# KiCad board UCB_board.kicad_pcb (continued)
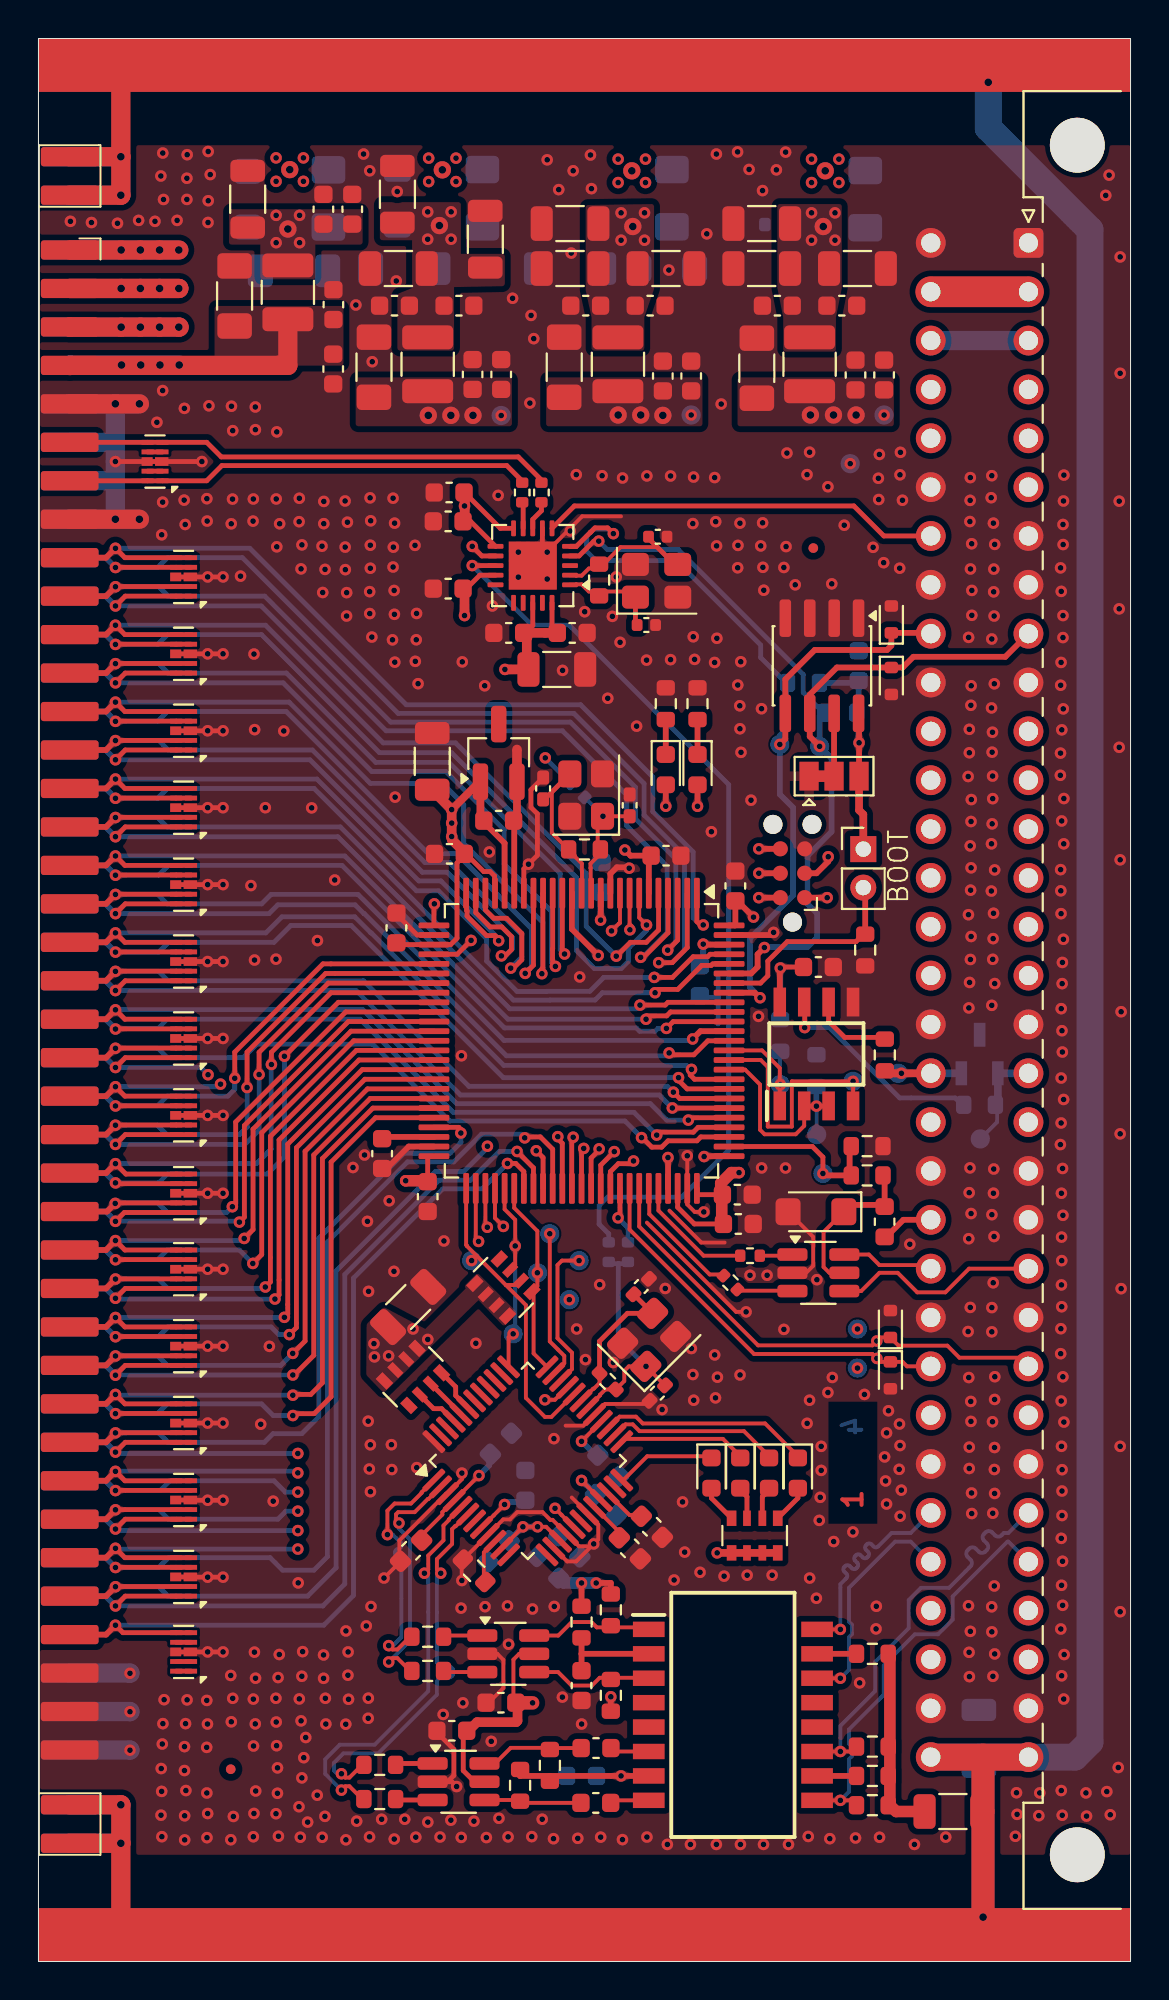
[diagram p0: board, top side]
## Routing (per net, layer and track width the routed paths; a pad name or vN(x,y) marks a point on that pad's centre or on a via; arc(x,y) is an arc through that point) (continued)
/Clock/CLK0: length 48.2
  Top w0.25: Y3.13 v1(22.56,72.59)
  Bottom w0.25: 29.66,37.49 29.66,37.84 29.16,38.34 29.16,39.31 29.6,39.75 33.45,39.75 35.9,42.2 35.9,61.2 27.6,69.5 25.65,69.5 v1(22.56,72.59)
/Clock/CLK1: length 16.3
  Top w0.25: v1(22.56,73.59) 23.06,73.09 Y3.12
  In2.Cu w0.25: v1(22.56,73.59) 23.36,73.59 24.06,72.89 24.06,71.79 26.36,69.49 v1(26.36,62.59)
  Bottom w0.25: v1(26.36,62.59) 27.63,61.32
/Clock/CLK2: length 1.3
  Top w0.25: Y3.9 25.21,75.74 25.16,75.79
/Clock/CLK3: length 1.5
  Top w0.25: 26.16,75.79 26.16,75.44 25.71,74.99 Y3.8
/Clock/CLK_IN: length 20.8
  Top w0.25: J1.c7 43.97,74.13 42.41,75.69 27.87,75.69 Y3.6
/Clock/X+: length 5.1
  Top w0.2: Y4.1 30.76,71.24 28.62,71.24 28.25,71.62 27.96,71.62 27.94,71.59 Y3.1
  Top w0.25: 31.05,69.5 Y4.1
/Clock/X-: length 8.8
  Top w0.2: Y4.3 33.08,72.65 32.18,73.55 30.27,73.55 29.16,72.44 28.62,72.44 28.25,72.07 27.96,72.07 27.94,72.09 Y3.2
  Top w0.25: Y4.3 33.08,72.65 31.64,74.09
/ConnectorDIN41612/D+: length 4.8
  Top w0.2: U3.6 43.19,36.76 43.74,36.22 46.22,36.22 J1.c22
/ConnectorDIN41612/D-: length 10.9
  Top w0.2: J1.a22 48.4,36.03 47.17,34.8 45.71,34.8 44.69,35.81 43.74,35.81 42.79,34.86 U3.4
/ConnectorDIN41612/DE: length 11.6
  Top w0.2: 39.83,44.48 39.83,43.46 39.38,43.02 37.77,43.02 37.53,43.25 37.53,45.6 36.75,46.38 U7.85
  Top w0.25: 39.83,44.48 v1(40.46,44.48) 41.1,44.48
  Bottom w0.2: TP2.1 40.48,44.47 v1(40.46,44.48)
  Bottom w0.3: 40.46,45.42 v1(40.46,44.48)
/ConnectorDIN41612/ETH_RD+: length 1.9
  Top w0.25: U5.1 18.73,10.3 18.66,10.23
/ConnectorDIN41612/ETH_RD-: length 1.9
  Top w0.25: U5.3 18.71,8.4 18.66,8.45
/ConnectorDIN41612/ETH_TD+: length 2
  Top w0.2: 23.08,15.05 21.22,15.05 21.16,15.11
/ConnectorDIN41612/ETH_TD-: length 2
  Top w0.2: 21.16,16.89 21.22,16.95 23.08,16.95
/ConnectorDIN41612/PSU/+3,3V_IN: length 33.5
  In2.Cu w1.6: v2(40.92,93.12) 43.05,93.12 43.61,93.68 50.93,93.68 54.53,90.07 54.53,80.57 53.18,79.21 J1.a5 J1.c5
  vias: v1(40.21,93.73) v1(40.21,92.51) v1(41.63,93.73) v1(41.63,92.51)
/ConnectorDIN41612/RD+: length 5.3
  Top w0.2: U5.6 23.75,10.3 24.56,11.11 26.6,11.11 26.61,11.1 28.14,11.1
/ConnectorDIN41612/RD-: length 5.3
  Top w0.2: U5.4 24.9,8.4 25.05,8.25 ; 25.05,8.25 28.12,8.25 ; 25.05,8.25 24.85,8.45
/ConnectorDIN41612/RS485+: length 4
  Top w0.4: 44.02,46.23 44.06,46.19 v1(44.88,46.19) J1.c18
  Bottom w0.4: D15.2 J1.c18
/ConnectorDIN41612/RS485-: length 5.4
  Bottom w0.2: TP19.1 49.86,43.65 49.86,44.55
  Bottom w0.4: 49.86,44.55 49.9,44.59 D15.1 J1.a18
/ConnectorDIN41612/RS485_N: length 11.2
  Top w0.25: 39.83,49.91 39.85,49.88 v1(39.85,48.56)
  Bottom w0.25: v1(39.85,48.56) 41.14,48.56 44.79,44.91 47.68,44.91 48.03,44.55
/ConnectorDIN41612/RS485_P: length 4.3
  Top w0.25: 44.02,48.05 41.94,48.05 41.1,48.89 41.1,49.91
/ConnectorDIN41612/RX+: length 21.5
  Top w0.2: 40.5,10.92 v1(41.71,10.92) 42.2,10.92 42.46,11.18
  Bottom w0.2: v1(41.71,10.92) 41.71,12.26 43.51,14.06 43.51,15.59 45.26,17.34 45.26,18.8 45.9,19.43 47.36,19.43 48.48,20.55 arc(48.55,20.72) 48.48,20.89 48.33,21.04 arc(48.26,21.21) 48.33,21.38 48.41,21.47 arc(48.58,21.54) 48.75,21.47 48.9,21.32 arc(49.07,21.25) 49.24,21.32 49.33,21.4 arc(49.4,21.57) 49.33,21.74 49.18,21.89 arc(49.11,22.06) 49.18,22.23 49.26,22.32 arc(49.43,22.39) 49.6,22.32 49.75,22.16 arc(49.92,22.09) 50.09,22.16 50.21,22.29 50.45,22.29 J1.a27
/ConnectorDIN41612/RX-: length 21.5
  Top w0.2: 40.5,8.38 v1(41.71,8.38) 42.2,8.38 42.46,8.13
  Bottom w0.2: v1(41.71,8.38) 42.16,8.83 42.16,10.52 42.31,10.67 42.31,11.17 42.16,11.32 42.16,12.07 43.96,13.88 43.96,15.4 45.58,17.02 46.79,17.02 47.55,17.78 47.55,18.99 50.4,21.83 50.45,21.83 J1.a28
/ConnectorDIN41612/RxD: length 6.7
  Top w0.2: U7.87 37.63,47.38 38.56,46.46 38.56,45.69 38.58,45.67 v1(38.58,45.6) 38.58,45.45 38.56,45.42 38.56,44.48
  Bottom w0.2: 38.58,47.25 38.56,47.22 38.56,45.69 38.58,45.67 v1(38.58,45.6)
/ConnectorDIN41612/TD+: length 6.4
  Top w0.2: U4.6 27.04,16.95 27.74,17.65 28.76,17.65 29.04,17.38 31.21,17.38 31.32,17.27 T1.1
/ConnectorDIN41612/TD-: length 6.4
  Top w0.2: U4.4 27.03,15.05 27.73,14.35 28.78,14.35 29.19,14.76 31.29,14.76 31.32,14.73 T1.3
/ConnectorDIN41612/TX+: length 11.9
  Top w0.2: 40.5,17.27 v1(41.71,17.27)
  Bottom w0.2: J1.c27 45.37,22.29 44.37,22.29 43.66,21.58 arc(43.55,21.53) 43.44,21.58 43.32,21.7 arc(43.21,21.75) 43.09,21.7 43.04,21.64 arc(42.99,21.53) 43.04,21.42 43.16,21.3 arc(43.2,21.18) 43.16,21.07 43.1,21.01 arc(42.99,20.97) 42.87,21.01 42.75,21.13 arc(42.64,21.18) 42.53,21.13 42.47,21.08 arc(42.42,20.96) 42.47,20.85 42.59,20.73 arc(42.64,20.62) 42.59,20.5 42.53,20.45 arc(42.42,20.4) 42.31,20.45 42.19,20.57 arc(42.07,20.61) 41.96,20.57 41.9,20.51 arc(41.86,20.4) 41.9,20.28 42.02,20.17 arc(42.07,20.05) 42.02,19.94 41.71,19.62 v1(41.71,17.27)
/ConnectorDIN41612/TX-: length 11.9
  Top w0.2: 40.5,14.73 v1(41.71,14.73)
  Bottom w0.2: J1.c28 45.37,21.83 44.56,21.83 42.16,19.44 42.16,17.67 42.31,17.52 42.31,17.02 42.16,16.87 42.16,15.18 v1(41.71,14.73)
/ConnectorDIN41612/TxD: length 13.3
  Top w0.2: U7.86 37.57,46.88 37.93,46.52 37.93,43.42 39.18,43.42 39.18,45.77 v1(42.37,45.77) 42.37,44.48
/ConnectorDIN41612/USART+: length 22
  Top w0.2: J1.c24 45.17,30.95 44.94,31.18 D3.1 43.79,31.18 v1(43.61,31.36) 43.38,31.59 37.22,31.59 30.75,38.06 U7.68
  In2.Cu w0.2: v1(43.61,31.36) 43.1,31.36 v1(42.6,30.86)
/ConnectorDIN41612/USART-: length 26.8
  Top w0.2: U7.69 31.25,38.22 37.43,32.04 43.38,32.04 v1(43.6,32.27) 43.79,32.45 D5.1 44.73,32.03 47.27,32.03 47.9,31.4 51.04,31.4 J1.a24
  In2.Cu w0.2: v1(42.6,32.89) 43.22,32.27 v1(43.6,32.27)
/ConnectorDIN41612/USB_D+: length 6.3
  Top w0.2: U7.71 32.25,39.05 34.59,36.7 36.41,36.7
/ConnectorDIN41612/USB_D-: length 6.4
  Top w0.2: U7.70 31.75,39.55 31.77,39.53 31.77,38.87 34.91,35.73 35.57,35.73
/ConnectorDIN41612/USB_DET: length 8.9
  Top w0.25: U7.77 40.25,42.38 40.8,41.83 v1(40.8,40.98)
  Top w0.3: 42.19,42.28 42.19,42.29 ; v1(40.8,40.98) 40.9,40.88 42.19,40.88 42.19,42.4
/ConnectorDIN41612/USB_DN: length 2.8
  Top w0.2: 36.41,34.88 39.19,34.88 U3.3
/ConnectorDIN41612/USB_DP: length 1.6
  Top w0.2: U3.1 39.15,36.7 37.61,36.7
/ConnectorDIN41612/VUSB: length 2.8
  Top w0.3: 44.01,37.6 44.98,38.57 J1.c21
/EthernetPHY/ACT: length 11
  Top w0.2: U1.27 30.22,28.33 31.07,28.33 31.43,27.98 37.79,27.98 39.5,26.28
/EthernetPHY/CS: length 16.8
  Top w0.2: U1.32 26.68,28.32 26.34,28.32 25.35,29.31 25.35,34.14 24.31,35.18 ; RN3.6 24.87,35.18 24.31,35.18 ; U7.51 22.25,37.27 22.28,37.24 22.28,37.21 22.78,36.7 ; 24.31,35.18 22.78,36.7 ; v1(22.53,36.45) 22.78,36.7
/EthernetPHY/DUPLEX: length 8.9
  Top w0.2: 38,26.28 36.7,27.58 31.26,27.58 30.91,27.93 30.53,27.93 U1.26
/EthernetPHY/INT: length 10.2
  Top w0.2: U1.36 25.75,31.62 25.75,34.75 RN3.5 25.95,35.12 v1(25.95,35.81) 25.95,37.98 24.75,39.19 U7.56
/EthernetPHY/LINK: length 6.6
  Top w0.2: U1.25 30.48,27.18 35.6,27.18 36.5,26.28
/EthernetPHY/MISO: length 15.5
  Top w0.2: U1.34 27.75,30.81 27.75,31.66 27,32.41 27,36.22 27.23,36.45 v1(28.12,36.45) ; U7.53 23.25,38.28 v1(23.34,38.18)
  In2.Cu w0.2: v1(28.12,36.45) 24.71,36.45 24.05,37.1 24.05,37.47 v1(23.34,38.18)
/EthernetPHY/MOSI: length 12.7
  Top w0.2: U1.35 27.35,31.11 27.35,31.49 26.59,32.25 v1(26.59,37.85) 26.72,37.97 ; U7.54 23.75,38.66 v1(24.18,38.23)
  In2.Cu w0.2: v1(26.59,37.85) 24.56,37.85 v1(24.18,38.23)
/EthernetPHY/RST: length 11
  Top w0.2: RN3.7 24.8,36.23 v1(24.8,37.21) 24.8,38.57 24.25,39.12 U7.55 ; v1(24.69,32.64) 24.62,32.64 24.45,32.47 U1.37
  Bottom w0.2: v1(24.69,32.64) 24.69,32.7 24.8,32.81 v1(24.8,37.21)
/EthernetPHY/RXN: length 20.6
  Top w0.2: v1(20.07,20.19) 20.27,20.39 20.27,21.11 21.06,21.9 21.06,22.67 21.34,22.95 21.34,22.99 U1.5 ; 16.84,8.45 16.17,9.11 15.96,9.11 v1(15.76,8.91)
  Bottom w0.2: v1(20.07,20.19) 20.27,19.99 20.27,14.06 17.48,11.28 15.67,11.28 14.91,10.52 14.91,9.76 v1(15.76,8.91)
/EthernetPHY/RXP: length 20.6
  Top w0.2: U1.6 21.7,22.63 21.66,22.63 21.51,22.49 21.51,21.72 20.72,20.92 20.72,20.39 v1(20.92,20.19) ; 16.84,10.23 16.17,9.56 15.96,9.56 v1(15.76,9.76)
  Bottom w0.2: v1(15.76,9.76) 15.54,9.76 15.36,9.94 15.36,10.33 15.86,10.83 17.67,10.83 20.72,13.88 20.72,14.51 arc(20.79,14.68) 20.96,14.75 21.33,14.75 arc(21.5,14.82) 21.57,14.99 21.57,15.11 arc(21.5,15.28) 21.33,15.35 20.96,15.35 arc(20.79,15.42) 20.72,15.59 20.72,19.99 v1(20.92,20.19)
/EthernetPHY/SCK: length 15.6
  Top w0.2: U1.33 26.86,29.21 v1(26.34,29.21) ; v1(22.89,37.44) 22.75,37.59 U7.52
  In2.Cu w0.2: v1(26.34,29.21) 26.34,34 25.92,34.42 ; 25.92,34.42 v1(27.61,34.42) ; 25.92,34.42 v1(22.89,37.44)
/EthernetPHY/SPEED: length 5.2
  Top w0.2: U1.24 30.42,25.04 31.66,26.28 35,26.28
/EthernetPHY/TXN: length 12.8
  Top w0.2: U1.1 19.93,24.4 19.93,24.37 19.38,23.82 18.52,23.82 18.15,23.44 v1(18.15,22.2) ; v1(18.22,16.43) 18.42,16.23 18.67,16.23 19.33,16.89
  Bottom w0.2: v1(18.22,16.43) 18.43,16.43 18.88,16.87 18.88,20.69 arc(18.83,20.81) 18.71,20.86 arc(18.6,20.9) 18.55,21.02 18.55,21.29 arc(18.6,21.41) 18.71,21.46 arc(18.83,21.5) 18.88,21.62 18.88,21.76 18.43,22.2 v1(18.15,22.2)
/EthernetPHY/TXP: length 12.8
  Top w0.2: v1(18.22,15.58) 18.42,15.78 18.67,15.78 19.33,15.11 ; U1.2 20.28,24.05 20.25,24.05 19.57,23.37 18.71,23.37 18.6,23.26 18.6,22.95 v1(18.75,22.8)
  Bottom w0.2: v1(18.75,22.8) 18.75,22.52 19.33,21.94 19.33,16.69 v1(18.22,15.58)
/EthernetPHY/XO+: length 12.5
  Top w0.2: U1.30 29.21,29.44 29.21,29.47 29.48,29.75 R18.1 30.47,30.19 30.47,30.71 30.7,30.95 Y2.1 v1(31.6,30.95) C6.1
  Bottom w0.25: 30.66,36.29 30.16,36.29 ; 30.16,36.29 29.66,36.29 ; 30.16,36.29 30.16,32.39 TP12.1
/EthernetPHY/XO-: length 8.3
  Top w0.2: R18.2 29.18,30.08 28.89,29.79 28.85,29.79 U1.31
  Top w0.25: C8.1 31.94,33.71 Y2.3 30.63,33.71 29.18,32.26 R18.2
/MCU/BOOT: length 11
  Top w0.25: 43,53.51 42.52,53.04 38.95,53.04 37.94,52.03 37.94,51.26 37.55,50.88 U7.94
  Top w0.3: 43,53.51 43,55.75 J3.2
/MCU/IO_1: length 50.3
  Top w0.25: D20.5 D20.6 4.5,73 v1(4,73.49) ; U7.1 34.25,54.08 34.42,53.9 v1(34.57,53.9)
  Top w0.3: X1.17 3.51,73 v1(4,73.49)
  Bottom w0.25: v1(34.57,53.9) 34.42,53.9 34.05,54.28 34.05,57.7 31.95,59.8 31.95,61.6 28.2,65.35 19.13,65.35 10.99,73.49 v1(4,73.49)
/MCU/IO_2: length 54.9
  Top w0.25: D20.4 D20.7 4.01,72.5 v1(4,72.49) ; v1(32.26,51.94) 32.96,51.94 33.75,52.73 U7.2
  Bottom w0.25: v1(32.26,51.94) 32.96,51.94 33.6,52.58 33.6,57.51 31.5,59.61 31.5,61.25 27.85,64.9 18.71,64.9 10.61,73 6.71,73 6.2,72.49 v1(4,72.49)
  Bottom w0.3: v1(4,72.49) 3.5,73 X1.18
/MCU/IO_3: length 50.6
  Top w0.25: D20.2 D20.9 4.01,71.5 v1(4,71.49) ; v1(32.73,52.59) 33.25,53.11 U7.3
  Top w0.3: v1(4,71.49) 3.51,71 X1.19
  Bottom w0.25: v1(4,71.49) 6.26,71.49 6.75,71 11.77,71 18.32,64.45 27.66,64.45 31.05,61.06 31.05,59.43 33.15,57.33 33.15,53.02 v1(32.73,52.59)
/MCU/IO_4: length 51.3
  Top w0.25: U7.4 32.75,53.5 31.47,52.22 v1(31.32,52.22) ; D20.1 D20.10 4.51,71 v1(4,70.49)
  Bottom w0.25: v1(4,70.49) 11.59,70.49 18.08,64 27.25,64 30.6,60.65 30.6,59.05 32.7,56.95 32.7,53.5 31.5,52.3 31.4,52.3 v1(31.32,52.22)
  Bottom w0.3: v1(4,70.49) 3.5,71 X1.20
/MCU/IO_5: length 46.2
  Top w0.25: v1(30.05,52.28) 30.06,52.28 30.78,53 31.61,53 32.25,53.64 32.25,55.55 U7.5 ; D21.5 D21.6 4.5,69 v1(4,69.49)
  Top w0.3: X1.21 3.51,69 v1(4,69.49)
  Bottom w0.25: v1(30.05,52.28) 29.73,52.61 29.71,52.61 28.49,53.83 28.49,56.57 21.69,63.37 17.93,63.37 11.81,69.49 v1(4,69.49)
/MCU/IO_6: length 47.3
  Top w0.2: v1(31.63,53.9) 31.76,54.03 31.5,54.03 31.25,54.28 U7.7
  Top w0.25: D21.4 D21.7 4.01,68.5 v1(4,68.49)
  Bottom w0.25: v1(31.63,53.9) 31.63,53.63 30.68,52.68 30.68,52.01 30.31,51.64 28.91,51.64 27.98,52.57 27.98,56.37 21.48,62.86 17.74,62.86 11.6,69 6.71,69 6.2,68.49 v1(4,68.49)
  Bottom w0.3: v1(4,68.49) 3.5,69 X1.22
/MCU/IO_7: length 41.7
  Top w0.25: v1(27.36,52.39) 27.36,52.53 27.25,52.64 U7.15 ; 7.95,67.5 7.17,67.5 ; D21.9 4.01,67.5 v1(4,67.49)
  Top w0.3: v1(4,67.49) 3.51,67 X1.23
  Bottom w0.25: v1(27.36,52.39) 27.14,52.62 27.14,56.57 21.35,62.35 17.55,62.35 12.9,67 6.75,67 6.26,67.49 v1(4,67.49)
/MCU/IO_8: length 42.2
  Top w0.25: v1(4,66.49) 4.51,67 D21.10 D21.1 ; U7.16 26.75,52.66 26.74,52.65 26.74,52.13 26.75,52.12 26.75,51.89 v1(26.89,51.75)
  Bottom w0.25: v1(26.89,51.75) 26.69,51.95 26.69,54.6 24.22,57.06 24.22,58.85 21.19,61.88 17.34,61.88 12.73,66.49 v1(4,66.49)
  Bottom w0.3: v1(4,66.49) 3.5,67 X1.24
/MCU/IO_9: length 41.8
  Top w0.25: U7.17 26.23,55.54 26.23,51.67 26.18,51.61 v1(26.18,51.37) ; v1(4,65.49) 4.5,65 D22.6 D22.5
  Top w0.3: v1(4,65.49) 3.51,65 X1.25
  Bottom w0.25: v1(26.18,51.37) 26.18,51.61 26.23,51.67 26.23,54.03 22.12,58.15 22.12,60.16 21.01,61.26 17.26,61.26 13.03,65.49 v1(4,65.49)
/MCU/IO_10: length 39.9
  Top w0.25: v1(4,64.49) 4.01,64.5 D22.7 D22.4 ; U7.18 25.75,51.81 25.53,51.6 v1(25.31,51.39)
  Bottom w0.25: v1(25.31,51.39) 25.53,51.6 25.65,51.72 25.65,53.7 21.74,57.61 20.28,57.61 12.89,65 6.71,65 6.2,64.49 v1(4,64.49)
  Bottom w0.3: X1.26 3.5,65 v1(4,64.49)
/MCU/IO_11: length 39.2
  Top w0.25: v1(24.56,51.66) 24.7,51.66 25.14,52.09 25.14,53.46 24.35,54.25 23.68,54.25 23.25,54.68 U7.23 ; D22.2 D22.9 4.01,63.5 v1(4,63.49)
  Top w0.3: v1(4,63.49) 3.51,63 X1.27
  Bottom w0.25: v1(24.56,51.66) 25.14,52.24 25.14,53.4 21.39,57.15 20.1,57.15 14.25,63 6.75,63 6.26,63.49 v1(4,63.49)
/MCU/IO_12: length 37.8
  Top w0.25: v1(24.08,52.29) 24.28,52.29 24.6,52.62 24.6,53.3 24.1,53.8 23.49,53.8 22.75,54.55 U7.24 ; v1(4,62.49) 4.51,63 D22.10 D22.1
  Bottom w0.25: v1(24.08,52.29) 24.28,52.29 ; 24.28,52.29 24.65,52.66 ; 24.28,52.29 24.66,52.68 24.66,53.24 21.26,56.64 19.97,56.64 14.12,62.49 v1(4,62.49)
  Bottom w0.3: X1.28 3.5,63 v1(4,62.49)
/MCU/IO_13: length 33.6
  Top w0.25: D23.5 D23.6 4.5,61 v1(4,61.49) ; U7.25 22.25,54.86 22.27,54.83 22.27,54.66 22.29,54.64 22.29,54.36 23.31,53.35 23.75,53.35 23.95,53.15 23.95,53.1 v1(23.93,53.08)
  Top w0.3: v1(4,61.49) 3.51,61 X1.29
  Bottom w0.25: v1(4,61.49) 14.48,61.49 19.78,56.19 20.93,56.19 23.93,53.19 v1(23.93,53.08)
/MCU/IO_14: length 44.5
  Top w0.25: v1(4,60.49) 4.01,60.5 D23.7 D23.4 ; v1(32.03,51.18) 32.98,51.18 34.05,52.25 34.8,52.25 34.93,52.38 U7.97
  Bottom w0.25: v1(32.03,51.18) 29.4,51.18 28.68,50.45 26.42,50.45 26.41,50.45 24.89,50.45 23.31,52.03 23.31,53.18 20.81,55.68 19.66,55.68 14.34,61 6.71,61 6.2,60.49 v1(4,60.49)
  Bottom w0.3: v1(4,60.49) 3.5,61 X1.30
/MCU/IO_15: length 43.1
  Top w0.25: D23.2 D23.9 4.01,59.5 v1(4,59.49) ; v1(32.07,50.38) 32.24,50.55 33.25,50.55 34.5,51.8 34.99,51.8 35.07,51.88 U7.96
  Top w0.3: X1.31 3.51,59 v1(4,59.49)
  Bottom w0.25: v1(32.07,50.38) 29.33,50.38 28.95,50 26.61,50 26.6,49.99 24.7,49.99 15.7,59 6.69,59 6.2,59.49 v1(4,59.49)
/MCU/IO_16: length 42.5
  Top w0.25: v1(4,58.49) 4.51,59 D23.10 D23.1 ; U7.92 32.74,49.88 32.6,49.74 v1(31.28,49.74)
  Bottom w0.25: v1(31.28,49.74) 31.09,49.54 24.52,49.54 15.57,58.49 v1(4,58.49)
  Bottom w0.3: v1(4,58.49) 3.5,59 X1.32
/MCU/IO_17: length 42.4
  Top w0.25: v1(31.6,49) 31.6,49.13 31.64,49.18 32.67,49.18 32.88,49.38 U7.91 ; D24.5 D24.6 4.5,57 v1(4,57.49)
  Top w0.3: X1.33 3.51,57 v1(4,57.49)
  Bottom w0.25: 4.01,57.5 v1(4,57.49) 15.93,57.49 24.42,49 v1(31.6,49)
/MCU/IO_18: length 42.5
  Top w0.25: v1(4,56.49) 4.01,56.5 D24.7 D24.4 ; v1(32.66,48.52) 33.01,48.88 35.92,48.88 U7.90
  Bottom w0.25: 4.01,56.5 v1(4,56.49) 6.25,56.49 6.76,57 15.78,57 24.24,48.55 31.1,48.55 31.27,48.37 32.07,48.37 32.22,48.52 v1(32.66,48.52)
  Bottom w0.3: X1.34 3.5,57 v1(4,56.49)
/MCU/IO_19: length 54.2
  Top w0.25: v1(4,55.49) 4.01,55.5 D24.9 D24.2
  Top w0.3: U7.89 34.43,48.38 v1(34.02,47.97) ; X1.35 3.51,55 v1(4,55.49) ; J2.4 v1(37.47,56.59)
  In2.Cu w0.3: v1(34.02,47.97) 33.92,48.07 33.92,54.34 36.18,56.59 v1(37.47,56.59)
  Bottom w0.25: v1(34.02,47.97) 33.95,47.9 33.07,47.9 24.21,47.9 16.62,55.49 12.1,55.49 11.61,55 6.69,55 6.2,55.49 v1(4,55.49)
/MCU/IO_20: length 42.6
  Top w0.25: U7.88 34.81,47.88 34.09,47.15 32.99,47.15 32.8,47.34 v1(32.8,47.25) ; v1(4,54.49) 4.51,55 D24.10 D24.1
  Bottom w0.25: v1(32.8,47.25) 32.65,47.1 24.34,47.1 16.95,54.49 16.93,54.49 16.47,54.95 12.45,54.95 11.99,54.49 v1(4,54.49)
  Bottom w0.3: X1.36 3.5,55 v1(4,54.49)
/MCU/IO_21: length 42.7
  Top w0.25: D25.5 D25.6 4.5,53 v1(4,53.49) ; v1(33.97,46.39) 33.9,46.33 33.9,46.1 34.12,45.88 U7.84
  Top w0.3: v1(4,53.49) 3.51,53 X1.37
  Bottom w0.25: v1(33.97,46.39) 33.91,46.39 33.7,46.6 24.2,46.6 17.31,53.49 17.29,53.49 16.45,54.33 12.66,54.33 11.83,53.49 v1(4,53.49)
/MCU/IO_22: length 42.6
  Top w0.25: D25.4 D25.7 4.01,52.5 v1(4,52.49) ; v1(33.29,45.96) 33.29,45.82 33.74,45.38 U7.83
  Bottom w0.25: v1(33.29,45.96) 24.18,45.96 16.26,53.88 13.12,53.88 12.25,53 6.76,53 6.25,52.49 v1(4,52.49) 4.01,52.5
  Bottom w0.3: X1.38 3.5,53 v1(4,52.49)
/MCU/IO_23: length 41.2
  Top w0.25: v1(33.02,45.21) 33.35,44.88 U7.82 ; D25.2 D25.9 4.01,51.5 v1(4,51.49)
  Top w0.3: X1.39 3.51,51 v1(4,51.49)
  Bottom w0.25: 4.02,51.51 v1(4,51.49) 6.25,51.49 6.74,51 16.9,51 22.39,45.51 32.72,45.51 v1(33.02,45.21)
/MCU/IO_24: length 41.2
  Top w0.25: D25.1 D25.10 4.51,51 v1(4,50.49) ; U7.81 32.97,44.38 v1(32.97,44.39)
  Bottom w0.25: v1(4,50.49) 4.01,50.5 16.51,50.5 21.95,45.06 32.29,45.06 32.4,44.96 32.4,44.95 32.76,44.58 32.77,44.58 v1(32.97,44.39)
  Bottom w0.3: X1.40 3.5,51 v1(4,50.49)
/MCU/IO_25: length 41.1
  Top w0.25: U7.80 33.92,43.88 v1(33.8,43.75) ; v1(4,49.49) 4.5,49 D26.6 D26.5
  Top w0.3: v1(4,49.49) 3.51,49 X1.41
  Bottom w0.25: 4.01,49.5 16.87,49.5 21.76,44.61 31.83,44.61 32.68,43.75 v1(33.8,43.75)
  Bottom w0.3: v1(4,49.49) 4.01,49.5
/MCU/IO_26: length 41.3
  Top w0.25: D26.4 D26.7 4.01,48.5 v1(4,48.49) ; U7.79 34.31,43.38 34.06,43.13 32.31,43.13 v1(32.16,42.98)
  Bottom w0.25: v1(32.16,42.98) 30.97,44.16 21.57,44.16 16.73,49 6.7,49 6.22,48.53 4.04,48.53 v1(4,48.49) 4.01,48.5
  Bottom w0.3: v1(4,48.49) 3.5,49 X1.42
/MCU/IO_27: length 41.4
  Top w0.25: U7.78 34.45,42.88 34.25,42.68 32.74,42.68 32.41,42.35 31.9,42.35 31.53,42.72 31.53,42.84 v1(31.37,42.84) ; v1(4,47.49) 4.01,47.5 D26.9 D26.2
  Top w0.3: v1(4,47.49) 3.51,47 X1.43
  Bottom w0.25: v1(31.37,42.84) 30.5,43.71 21.38,43.71 17.39,47.7 11.35,47.7 10.65,47 6.7,47 6.21,47.49 v1(4,47.49)
/MCU/IO_28: length 29
  Top w0.25: v1(20.59,55) 20.57,54.98 U7.26 ; v1(4,46.49) 4.51,47 D26.10 D26.1
  In2.Cu w0.25: v1(20.59,55) 20.59,53.76 19.88,53.06 15.76,53.06 v1(8.82,46.12)
  Bottom w0.25: v1(8.82,46.12) 8.44,46.5 4.01,46.5 v1(4,46.49)
  Bottom w0.3: X1.44 3.5,47 v1(4,46.49)
/MCU/IO_29: length 30.9
  Top w0.25: U7.29 21.78,52.38 v1(22.5,53.1) ; v1(4,45.49) 4.5,45 D27.6 D27.5
  Top w0.3: X1.45 3.51,45 v1(4,45.49)
  In2.Cu w0.25: v1(22.5,53.1) 22.5,53.05 21.88,52.43 15.82,52.43 9.47,46.08 v1(9.47,45.62)
  Bottom w0.25: v1(4,45.49) 9.34,45.49 v1(9.47,45.62)
/MCU/IO_30: length 27.3
  Top w0.25: v1(4,44.49) 4.01,44.5 D27.7 D27.4 ; v1(10.21,45.93) 10.21,47.29 14.8,51.88 U7.30
  Bottom w0.25: v1(10.21,45.93) 10.21,45.36 9.85,45 6.7,45 6.2,44.5 4.01,44.5 v1(4,44.49)
  Bottom w0.3: v1(4,44.49) 3.5,45 X1.46
/MCU/IO_31: length 29.1
  Top w0.25: v1(10.85,45.45) 10.85,47.29 14.94,51.38 U7.31 ; D27.2 D27.9 4.01,43.5 v1(4,43.49)
  Top w0.3: v1(4,43.49) 3.51,43 X1.47
  Bottom w0.25: v1(10.85,45.45) 10.85,43.39 10.46,43 6.67,43 6.19,43.49 v1(4,43.49) 4.03,43.46
/MCU/IO_32: length 29.1
  Top w0.25: v1(11.47,46.12) 11.47,47.28 15.07,50.88 U7.32 ; D27.1 D27.10 4.51,43 v1(4,42.49)
  Bottom w0.25: v1(4,42.49) 10.74,42.49 11.47,43.23 v1(11.47,46.12)
  Bottom w0.3: X1.48 3.5,43 v1(4,42.49)
/MCU/IO_33: length 29.9
  Top w0.25: v1(12.12,46.65) 12.12,47.28 15.21,50.38 U7.33 ; v1(4,41.49) 4.54,40.95 D28.6 D28.5
  Top w0.3: v1(4,41.49) 3.51,41 X1.49
  Bottom w0.25: v1(4,41.49) 11.34,41.49 12.1,42.25 12.1,46.63 v1(12.12,46.65)
/MCU/IO_34: length 30.1
  Top w0.25: U7.34 15.6,49.88 v1(12.79,47.08) ; v1(4,40.49) 4.04,40.45 D28.7 D28.4
  Bottom w0.25: v1(12.79,47.08) 12.8,47.07 12.8,41.85 11.9,40.95 6.71,40.95 6.25,40.49 v1(4,40.49)
  Bottom w0.3: X1.50 3.5,41 v1(4,40.49)
/MCU/IO_35: length 30.1
  Top w0.25: v1(3.99,39.42) 4.02,39.45 D28.9 D28.2 ; U7.35 15.98,49.38 10.26,43.66 10.26,39.42 v1(10.08,39.25)
  Top w0.3: v1(3.99,39.42) 3.57,39 X1.51
  Bottom w0.25: v1(10.08,39.25) 9.78,38.95 6.7,38.95 6.2,39.45 4.02,39.45 v1(3.99,39.42)
/MCU/IO_36: length 30.4
  Top w0.25: v1(10.45,38.45) 10.71,38.71 10.71,43.47 16.12,48.88 U7.36 ; D28.1 D28.10 4.47,38.95 v1(4,38.49)
  Bottom w0.25: 4.01,38.48 v1(4,38.49) 4.01,38.5 10.4,38.5 v1(10.45,38.45)
  Bottom w0.3: v1(4,38.49) 3.5,39 X1.52
/MCU/IO_37: length 30.9
  Top w0.25: v1(10.7,37.6) 11.16,38.06 11.16,43.28 16.26,48.38 U7.37 ; D29.5 D29.6 4.5,37 v1(4,37.49)
  Top w0.3: v1(4,37.49) 3.51,37 X1.53
  Bottom w0.25: v1(4,37.49) 10.59,37.49 v1(10.7,37.6)
/MCU/IO_38: length 32.3
  Top w0.25: v1(11.15,36.3) 11.61,36.76 11.61,43.1 16.39,47.88 U7.38 ; v1(4,36.49) 4.01,36.5 D29.7 D29.4
  Bottom w0.25: 11.15,36.48 v1(11.15,36.3) 10.45,37 6.7,37 6.2,36.5 4.01,36.5 v1(4,36.49) 4.02,36.47
  Bottom w0.3: v1(4,36.49) 3.5,37 X1.54
/MCU/IO_39: length 32.9
  Top w0.25: v1(11.8,35.08) 12.06,35.34 12.06,42.91 16.53,47.38 U7.39 ; D29.2 D29.9 4.01,35.5 v1(4,35.49)
  Top w0.3: v1(4,35.49) 3.51,35 X1.55
  Bottom w0.25: v1(11.8,35.08) 11.73,35 6.72,35 6.22,35.5 4.01,35.5 v1(4,35.49)
/MCU/IO_40: length 33.3
  Top w0.25: v1(4,34.49) 4.51,35 D29.10 D29.1 ; U7.40 16.67,46.88 12.51,42.72 12.51,34.66 v1(12.3,34.45)
  Bottom w0.25: v1(12.3,34.45) 4.04,34.45 v1(4,34.49) 4.06,34.43
  Bottom w0.3: v1(4,34.49) 3.5,35 X1.56
/MCU/IO_41: length 33.8
  Top w0.25: v1(12.79,33.5) 12.97,33.67 12.97,42.5 16.84,46.38 U7.41 ; v1(4,33.49) 4.5,33 D30.6 D30.5
  Top w0.3: X1.57 3.51,33 v1(4,33.49)
  Bottom w0.25: v1(12.79,33.5) 12.78,33.49 v1(4,33.49)
/MCU/IO_42: length 34.4
  Top w0.25: U7.42 16.98,45.88 13.42,42.32 13.42,32.97 v1(13.05,32.6) ; v1(4,32.49) 4.01,32.5 D30.7 D30.4
  Bottom w0.25: v1(13.05,32.6) 12.5,32.6 12.1,33 6.75,33 6.25,32.5 4.01,32.5 v1(4,32.49)
  Bottom w0.3: X1.58 3.5,33 v1(4,32.49)
/MCU/IO_43: length 34.8
  Top w0.25: D30.2 D30.9 4.01,31.5 v1(4,31.49) ; v1(13.22,31.63) 13.87,32.27 13.87,42.13 17.12,45.38 U7.43
  Top w0.3: X1.59 3.51,31 v1(4,31.49)
  Bottom w0.25: 4.01,31.5 v1(4,31.49) 6.21,31.49 6.7,31 12.6,31 13.09,31.49
/MCU/IO_44: length 35.4
  Top w0.25: v1(4,30.49) 4.51,31 D30.10 D30.1 ; U7.44 17.25,44.88 14.32,41.94 14.32,31.52 13.3,30.5 v1(13.23,30.5)
  Bottom w0.25: v1(4,30.49) 4.01,30.5 v1(13.23,30.5)
  Bottom w0.3: v1(4,30.49) 3.5,31 X1.60
/MCU/IO_45: length 36.3
  Top w0.25: v1(13.23,29.45) 13.27,29.49 14.16,29.49 14.77,30.09 14.77,41.76 17.39,44.38 U7.45 ; D31.5 D31.6 4.5,29 v1(4,29.49)
  Top w0.3: v1(4,29.49) 3.51,29 X1.61
  Bottom w0.25: v1(4,29.49) 4.04,29.45 v1(13.23,29.45)
/MCU/IO_46: length 37.1
  Top w0.25: U7.46 17.53,43.88 15.22,41.57 15.22,29.37 14.34,28.49 13.33,28.49 v1(13.23,28.39) ; v1(4,28.49) 4.01,28.5 D31.7 D31.4
  Bottom w0.25: v1(13.23,28.39) 12.21,28.39 11.6,29 6.7,29 6.19,28.49 v1(4,28.49)
  Bottom w0.3: X1.62 3.5,29 v1(4,28.49)
/MCU/IO_47: length 38.7
  Top w0.25: D31.2 D31.9 4.01,27.5 v1(4,27.49) ; U7.47 21.86,43.38 21.97,43.27 v1(21.97,43.08)
  Top w0.3: X1.63 3.51,27 v1(4,27.49)
  Bottom w0.25: 4.01,27.48 v1(4,27.49) 6.25,27.49 6.74,27 11.75,27 12.2,27.45 13.7,27.45 14.58,28.33 14.58,37.6 19.01,42.03 21.41,42.03 21.97,42.59 21.97,43.08 v1(21.97,43.08)
/MCU/IO_48: length 56.1
  Top w0.25: D31.1 D31.10 4.51,27 v1(4,26.49) ; U7.66 29.75,41.07 30.16,41.49 30.81,41.49 v1(30.95,41.63)
  In2.Cu w0.25: v1(13.49,26.42) 13.85,26.79 13.85,41.24 19.04,46.42 28.53,46.42 30.57,44.38 30.57,42.67 30.95,42.29 v1(30.95,41.63)
  Bottom w0.25: v1(13.49,26.42) 4.07,26.42 v1(4,26.49)
  Bottom w0.3: v1(4,26.49) 3.5,27 X1.64
/MCU/IO_49: length 55.3
  Top w0.25: D32.5 D32.6 4.5,25 v1(4,25.49) ; v1(29.95,42.12) 29.25,41.41 U7.65
  Top w0.3: v1(4,25.49) 3.51,25 X1.65
  In2.Cu w0.25: v1(29.95,42.12) 29.95,44.36 28.34,45.97 19.39,45.97 14.31,40.89 14.31,25.66 14.06,25.41 v1(13.49,25.41)
  Bottom w0.25: v1(13.49,25.41) 13.4,25.5 4.01,25.5 v1(4,25.49)
/MCU/IO_50: length 54.8
  Top w0.25: v1(4,24.49) 4.01,24.5 D32.7 D32.4 ; U7.64 28.75,41.78 29.16,42.2 v1(29.16,42.26)
  In2.Cu w0.25: v1(29.16,42.26) 29.16,44.03 27.67,45.52 19.59,45.52 14.76,40.69 14.76,24.78 14.38,24.41 v1(13.49,24.41)
  Bottom w0.25: v1(4,24.49) 4.01,24.5 6.34,24.5 6.84,25 12.25,25 12.84,24.41 v1(13.49,24.41)
  Bottom w0.3: X1.66 3.5,25 v1(4,24.49)
/MCU/IO_51: length 53.7
  Top w0.25: D32.2 D32.9 4.01,23.5 v1(4,23.49) ; U7.63 28.25,42.17 v1(28.36,42.28)
  Top w0.3: v1(4,23.49) 3.51,23 X1.67
  In2.Cu w0.25: v1(28.36,42.28) 28.44,42.36 28.44,44.11 27.48,45.07 21.09,45.07 15.21,39.18 15.21,23.88 14.75,23.42 v1(13.49,23.42)
  Bottom w0.25: 4.03,23.52 v1(4,23.49) 4.01,23.5 6.27,23.5 6.77,23 12.45,23 12.87,23.42 v1(13.49,23.42)
/MCU/IO_52: length 53.3
  Top w0.25: v1(27.81,42.86) 27.73,42.79 27.73,40.21 U7.62 ; v1(4,22.49) 4.51,23 D32.10 D32.1
  In2.Cu w0.25: v1(27.81,42.86) 27.98,43.03 27.98,43.91 27.27,44.62 21.28,44.62 15.66,39 15.66,23.13 14.94,22.41 v1(13.49,22.41)
  Bottom w0.25: v1(13.49,22.41) 4.08,22.41 v1(4,22.49)
  Bottom w0.3: v1(4,22.49) 3.5,23 X1.68
/MCU/IO_53: length 52.4
  Top w0.25: v1(27.01,42.89) 27.01,42.78 27.25,42.55 U7.61 ; v1(4,21.49) 4.5,21 D33.6 D33.5
  Top w0.3: X1.69 3.51,21 v1(4,21.49)
  In2.Cu w0.25: v1(13.49,21.45) 15.02,21.45 16.11,22.54 16.11,38.81 21.46,44.17 26.45,44.17 27.01,43.61 v1(27.01,42.89)
  Bottom w0.25: v1(13.49,21.45) 4.04,21.45 v1(4,21.49)
/MCU/IO_54: length 51.1
  Top w0.25: v1(25.29,42.83) 25.34,42.88 26.1,42.88 26.75,42.24 U7.60 ; D33.4 D33.7 4.01,20.5 v1(4,20.49)
  Bottom w0.25: v1(4,20.49) 6.25,20.49 6.76,21 12.05,21 12.7,20.35 14.32,20.35 15.03,21.06 15.03,37.42 19.19,41.58 21.6,41.58 23.04,43.02 25.1,43.02 v1(25.29,42.83)
  Bottom w0.3: X1.70 3.5,21 v1(4,20.49)
/MCU/IO_55: length 51.5
  Top w0.25: v1(4,19.49) 4.01,19.5 D33.9 D33.2 ; v1(25.89,42.16) 26.25,41.81 U7.59
  Top w0.3: X1.71 3.51,19 v1(4,19.49)
  In2.Cu w0.25: v1(25.89,42.16) 26.07,42.34 26.07,43.09 25.45,43.71 24.64,43.71 23.35,42.43 v1(23.35,42.4)
  Bottom w0.25: v1(23.35,42.4) 23.35,42.31 22.12,41.08 20.65,41.08 15.48,35.91 15.48,20.48 14,19 6.74,19 6.25,19.49 v1(4,19.49)
/MCU/IO_56: length 49.1
  Top w0.25: D33.1 D33.10 4.51,19 v1(4,18.49) ; U7.58 25.75,41.27 v1(24.89,42.13)
  Bottom w0.25: v1(4,18.49) 14.79,18.49 15.93,19.63 15.93,35.72 20.84,40.63 22.47,40.63 23.96,42.13 v1(24.89,42.13)
  Bottom w0.3: v1(4,18.49) 3.5,19 X1.72
/MCU/IO_57: length 48.6
  Top w0.25: v1(4,17.49) 4.39,17.1 D34.6 D34.5 ; U7.57 25.25,41.08 24.83,41.5 v1(24.39,41.5)
  Top w0.3: v1(4,17.49) 3.51,17 X1.73
  Bottom w0.25: v1(24.39,41.5) 23.07,40.18 21.03,40.18 16.38,35.54 16.38,19.03 14.84,17.49 v1(4,17.49)
/MCU/LED_G: length 11
  Top w0.2: U7.8 30.75,53.96 30.85,53.85 30.85,53.74 v1(30.76,53.65)
  Top w0.3: v1(34.28,60.07) 34.28,61.1
  In2.Cu w0.3: v1(30.76,53.65) 30.67,53.74 30.72,53.79 30.72,54.86 33.72,57.87 33.72,58.88 34.28,59.43 v1(34.28,60.07)
/MCU/LED_R: length 11.3
  Top w0.2: U7.9 30.25,54.01 30.21,53.98 30.19,53.98 v1(29.81,53.59)
  Top w0.3: v1(32.63,60.07) 32.63,61.1
  In2.Cu w0.3: v1(32.63,60.07) 32.63,59.42 33.22,58.83 33.22,58.13 30.21,55.12 30.21,54 v1(29.81,53.59)
/MCU/nRESET: length 23.4
  Top w0.3: U7.14 27.75,53.68 v1(29.11,52.31) ; J2.3 40.47,56.59 41.07,57.2 v1(41.07,57.45)
  In2.Cu w0.3: v1(29.11,52.31) 29.73,52.93 31.57,52.93 32.55,53.9 32.55,54.79 38.05,60.3 38.84,60.3 39.19,59.94 39.19,58.42 39.74,57.88 40.65,57.88 v1(41.07,57.45)
/MCU/SCL: length 51.8
  Top w0.25: v1(29.14,73.86) 28.89,73.86 28.11,73.09 Y3.4
  Top w0.3: J1.a9 50.29,67.85 45.5,67.85 44.95,67.29 D17.1 41.53,67.29 40.11,65.88 U6.6 40.11,63.7 v1(40.63,63.19) ; U7.95 37.06,51.38 37.4,51.72 37.4,52.38 v1(37.76,52.73)
  Bottom w0.25: v1(29.14,73.86) 29.58,73.43 33.27,73.43 39.77,66.93 39.77,65.98 40.82,64.94
  Bottom w0.3: v1(37.76,52.73) 37.78,52.75 40,52.75 40.5,53.25 40.5,54.5 40,55 40,57.5 41.25,58.75 41.25,62.57 v1(40.63,63.19) 40.63,64.75 40.82,64.94
/MCU/SDA: length 51.2
  Top w0.25: v1(29.9,74.25) 29.6,74.55 28.94,74.55 28.71,74.31 28.7,74.31 27.98,73.59 Y3.5 27.94,73.59
  Top w0.3: J1.c9 46.37,69.09 D16.1 44.36,68.43 44.13,68.2 40.37,68.2 38.84,66.67 U6.5 38.84,63.58 v1(38.56,63.29) ; v1(37.53,50.12) 37.51,50.12 37.25,50.38 U7.93
  Bottom w0.25: 38.88,66.49 37.56,67.81 37.56,68.46 33.17,72.85 29,72.85 28.52,73.33 28.52,74.12 28.88,74.49 29.66,74.49 v1(29.9,74.25)
  Bottom w0.3: 38.88,66.49 38.88,64.06 38.56,63.75 v1(38.56,63.29) 38.56,60.69 39.25,60 39.25,55.45 37,53.2 37,50.66 37.53,50.13 v1(37.53,50.12)
/MCU/SWCLK: length 21.3
  Top w0.3: J2.6 v1(37.47,57.86) ; U7.76 34.64,41.88 v1(34.62,41.86)
  In2.Cu w0.3: v1(34.62,41.86) 34.62,46.38 34.62,46.38 34.62,46.66 34.24,47.04 33.96,47.04 33.38,47.63 33.38,54.7 36.54,57.86 v1(37.47,57.86)
/MCU/SWDIO: length 22.1
  Top w0.3: v1(32.74,41.81) 32.75,41.8 U7.72 ; J2.2 v1(37.47,55.32)
  In2.Cu w0.3: v1(37.47,55.32) 36.08,55.32 35.38,54.63 35.38,41.2 34.87,40.69 33.4,40.69 32.74,41.35 v1(32.74,41.81)
/MCU/XTAL+: length 7
  Top w0.2: U7.12 28.75,56.2 28.72,56.23 28.72,56.86 28.71,56.87 28.71,57.1 29.08,57.47 29.08,59.2 29.34,59.46 Y1.1 v1(29.36,59.56) 30.75,59.56 C19.1
  Bottom w0.2: v1(29.36,59.56) 29.36,59.59 28.47,60.48
/MCU/XTAL-: length 9.2
  Top w0.2: Y1.3 26.7,60.82 26.7,58.7 27.89,57.51 27.89,57.47 28.26,57.1 28.26,56.7 28.27,56.69 28.27,56.23 28.25,56.2 U7.13
  Top w0.25: C20.1 26.31,60.43 Y1.3
/UniConnector/CLK_IN1: length 24.2
  Top w0.25: X1.13 D35.10 D35.1 8.75,77 9.54,77.79 24.36,77.79 25.16,76.99
/UniConnector/CLK_IN2: length 25.4
  Top w0.25: X1.11 D35.6 D35.5 8.75,79 9.51,78.24 24.96,78.24 26.16,77.04 26.16,76.99
Earth: length 157.7
  Top w1: X1.EARTH v2(4.28,93.85) ; v2(4.28,93.85) 4.28,98.61 ; v2(4.28,93.85) v2(4.28,91.85) X1.EARTH ; X1.EARTH v2(4.28,8.15) v2(4.28,6.15) ; X1.EARTH v2(4.28,6.15) ; v2(4.28,6.15) 4.28,1.39
  Top w1.2: 49.12,10.63 49.12,2.32 v2(49.13,2.31)
  Top w1.4: J1.a32 J1.c32
  Bottom w1: X1.EARTH v2(4.28,8.15) v2(4.28,6.15) X1.EARTH ; X1.EARTH v2(4.28,93.85) v2(4.28,91.85) X1.EARTH
  Bottom w1.2: v2(49.13,2.31) 49.13,9.83 48.91,10.05 48.91,10.62 48.9,10.63
  Bottom w1.4: v2(49.4,97.72) 49.4,95.34 54.69,90.05 54.69,11.42 53.9,10.63 J1.a32 J1.c32
Net-(C5-Pad1): length 9.7
  Top w0.6: 46,7.8 44.61,7.8 44.28,8.13 44.28,16
Net-(C56-Pad2): length 2.5
  Top w0.3: U7.98 34.72,52.88 34.7,52.91 v1(34.57,52.91)
  Bottom w0.3: v1(34.57,52.91) 34.57,52.04 34.4,51.86
Net-(C57-Pad2): length 2.7
  Top w0.3: U7.48 17.88,42.88 17.88,42.88
Net-(D1-A): length 1.9
  Top w0.25: 35,24.53 35,24.1 RN1.4
Net-(D2-A): length 1.6
  Top w0.25: 36.5,24.53 36.85,24.18 RN1.3
Net-(D4-A): length 1.6
  Top w0.25: RN1.2 37.65,24.18 38,24.53
Net-(D6-A): length 1.9
  Top w0.25: RN1.1 39.5,24.1 39.5,24.53
Net-(D7-A1): length 8.4
  Top w0.2: U3.5 41.13,35.81 40.83,36.12 40.83,37.94 41.89,38.99
  Top w0.3: 44.01,40.88 44.01,40.88 44.01,39.35 42.24,39.35 41.89,38.99 41.91,38.97
Net-(D8-A2):
  vias: v1(20.24,90.98) v1(20.24,89.56) v1(21.46,90.98) v1(21.46,89.56) v2(20.85,90.27)
Net-(D10-K):
  vias: v1(40.21,90.93) v1(40.21,89.51) v1(41.43,90.93) v1(41.43,89.51) v2(40.82,90.22)
Net-(D11-A2):
  vias: v1(30.3,90.93) v1(30.3,89.51) v1(31.52,90.93) v1(31.52,89.51) v2(30.91,90.22)
Net-(D13-K): length 1.6
  Top w0.3: 32.63,62.85 32.63,64.5
Net-(D14-K): length 1.6
  Top w0.3: 34.28,62.85 34.28,64.5
Net-(D18-A2):
  vias: v1(12.36,90.8) v1(12.36,89.38) v1(13.58,90.8) v1(13.58,89.38) v2(12.97,90.09)
Net-(D35-Pad2): length 0.8
  Top w0.25: D35.2 D35.9
Net-(D35-Pad4): length 0.8
  Top w0.25: D35.4 D35.7
Net-(JP1-C): length 3.3
  Top w0.3: U6.7 41.38,64.9 JP1.2
Net-(RN2-R2.1): length 2.4
  Top w0.25: RN2.2 20.12,29.2 20.12,29.18 20.55,28.75 20.97,28.75 U1.45
Net-(RN2-R3.1): length 2.3
  Top w0.25: U1.44 21.98,28.47 RN2.3
Net-(RN2-R4.1): length 2.4
  Top w0.25: RN2.4 21.7,29.88 21.7,29.43 U1.43
Net-(T1-CT_1): length 5
  Top w0.3: 28.25,16.74 28.25,16 ; 28.25,16 28.25,15.21 ; 28.25,16 T1.2
Net-(T1-CT_2): length 8.7
  Top w0.3: 26.6,9.65 v1(30.3,9.65) T1.7 ; 26.6,9.65 26.6,9.29 ; 26.6,9.65 25.05,9.65 25.05,9.65 25.05,10.08
  Bottom w0.3: 29.11,9.65 29.11,9.65 v1(30.3,9.65)
Net-(T1-NC_3): length 2
  Top w0.3: 40.5,9.65 42.46,9.65
Net-(T1-NC_6): length 2
  Top w0.3: 40.5,16 42.46,16
Net-(T1-RD+): length 2
  Top w0.2: T1.6 30.04,10.92 29.86,11.1
Net-(T1-RD-): length 1.9
  Top w0.2: 29.85,8.25 29.98,8.38 T1.8
Net-(U1-1V2O): length 2.1
  Top w0.2: U1.22 30.75,23.22 31.29,23.22
Net-(U1-EXRES1): length 2.5
  Top w0.2: U1.10 23.16,21.27 23.16,19.81 23.3,19.67
Net-(U1-TOCAP): length 2
  Top w0.2: U1.20 30.15,22.4 30.15,22.1
Net-(U2-A): length 5.9
  Top w0.3: 24.8,59.33 24.75,59.27 U7.20
  Top w0.4: 24.8,59.33 24.89,59.41 U2.2
Net-(U4-VBUS): length 16.7
  Top w0.2: 24.92,13.46 24.7,13.67 24.7,15.7 25.01,16 U4.5
  Top w0.25: U5.5 22.67,9.35 22.09,9.93 22.09,11.73 22.36,12
  Top w0.3: v1(29.77,13.77) 29.77,13.77 29.77,12.93 ; 29.77,19.2 29.77,19.69 v1(29.01,19.69) ; 28.25,18.57 v1(28.25,19.69)
  Top w0.5: 24.92,13.46 24.92,12.52 24.85,12.45 22.81,12.45 22.36,12
  Top w0.7: v1(25.7,13.45) 24.93,13.45 24.92,13.46
  Bottom w0.6: v1(29.01,19.69) v1(28.25,19.69) 27.31,19.69 27.12,19.88
Net-(U7-PA8): length 3
  Top w0.25: U7.67 30.25,38.77 v1(30.14,38.67)
  Bottom w0.25: v1(30.14,38.67) 30.66,38.16 30.66,37.49
unconnected-(D34-Pad1): length 0.8
  Top w0.25: D34.1 D34.10
unconnected-(D34-Pad2): length 0.8
  Top w0.25: D34.2 D34.9
unconnected-(D34-Pad4): length 0.8
  Top w0.25: D34.4 D34.7

## Copper pours and planes (outline as drawn; the poured copper is in the pictures)
+3.3V on Top: 17.95,29.56 22.89,34.39 24.21,33.02 24.92,33.73 22.83,35.81 22.12,35.1 22.23,35 20.12,32.89 17.96,34.04 17.07,33.15 17.05,30.5
+3.3V on Top: 36.36,82.38 36.36,79.84 44.49,79.84 44.49,82.38
+3.3V on Bottom: 26.72,24.44 23.93,24.44 23.93,21.84 25.3,20.5 26,20.5 28.12,22.61 26.72,24.13
+3.3V on In2.Cu: 25.45,30.35 21.13,26.04 25.45,21.59 29.9,26.04
+3.3V on In2.Cu: 17.07,33.27 17.07,31.12 19.61,31.12 22.91,27.81 24.05,28.96 19.74,33.27
+5V on Top: 26.4,82.38 26.4,79.84 34.53,79.84 34.53,82.38
+12V on Top: 16.5,82.38 16.5,79.84 24.63,79.84 24.63,82.38
-12V on Top: 9.16,86.09 15.86,86.09 15.86,82.99 9.16,82.99
/ConnectorDIN41612/PSU/+5V_IN on Bottom, In2.Cu: 29.85,94.08 29.85,92.2 34.01,92.2 34.01,94.08
/ConnectorDIN41612/PSU/+12V_IN on Bottom, In2.Cu: 19.99,94.13 19.99,92.25 24.16,92.25 24.16,94.13
/ConnectorDIN41612/PSU/-12V_IN on Bottom, In2.Cu: 12.05,94.15 12.05,92.27 16.04,92.27 16.04,94.15
GND on Top, Bottom, In1.Cu, In2.Cu: 56.79,5.55 0.09,5.55 0.09,94.45 56.8,94.45
/ConnectorDIN41612/PSU/+3,3V_IN on Bottom, In2.Cu: 39.9,94.08 39.9,92.2 44.07,92.2 44.07,94.08
Net-(D8-A2) on Top: 17.75,91.49 17.75,89.51 19.43,89.51 19.43,87.02 18.67,86.72 18.67,83.77 21.62,83.77 21.62,87.07 24.26,87.12 24.26,88.8 21.97,88.8 21.97,91.49
Net-(D8-A2) on Bottom: 19.48,89.51 17.75,89.51 17.75,91.49 24.1,91.49 24.1,89.26 22.12,89.26 22.12,87.07 19.48,87.07
Net-(D10-K) on Top: 38.43,91.39 38.43,87.02 38.74,85.5 38.74,83.72 41.48,83.72 41.48,85.5 41.78,87.02 41.78,91.39
Net-(D10-K) on Bottom: 38.43,91.39 38.43,88.9 44.07,88.9 44.07,91.39
Net-(D11-A2) on Top: 28.46,91.34 28.46,86.92 28.77,85.5 28.77,83.77 31.51,83.77 31.51,85.5 32.02,86.97 32.02,91.39
Net-(D11-A2) on Bottom: 29.99,91.34 28.46,89.05 28.46,87.07 32.02,87.07 32.02,89.26 33.95,89.26 33.96,91.34
Net-(D18-A2) on Top: 9.91,91.12 9.91,89.28 11.54,89.28 11.54,87.48 14.41,87.48 14.4,89.28 16.86,89.28 16.86,91.12
Net-(D18-A2) on Bottom: 14.17,89.06 9.98,89.06 9.98,91.31 15.98,91.31 15.98,86.89 14.17,86.89
Net-(U4-VBUS) on In2.Cu: 27.6,20.3 30.4,20.3 30.4,12 24.9,12 24.9,14.7 27.6,14.7

Small or netless copper shapes (teardrops, artwork), in the pictures only: 264 on Top, 172 on Bottom, 42 on In2.Cu

## Text on the board
F.Silkscreen: BOOT
